# Altium PCB CogniBee_V2.PcbDoc (part 1 of 2) (continued)
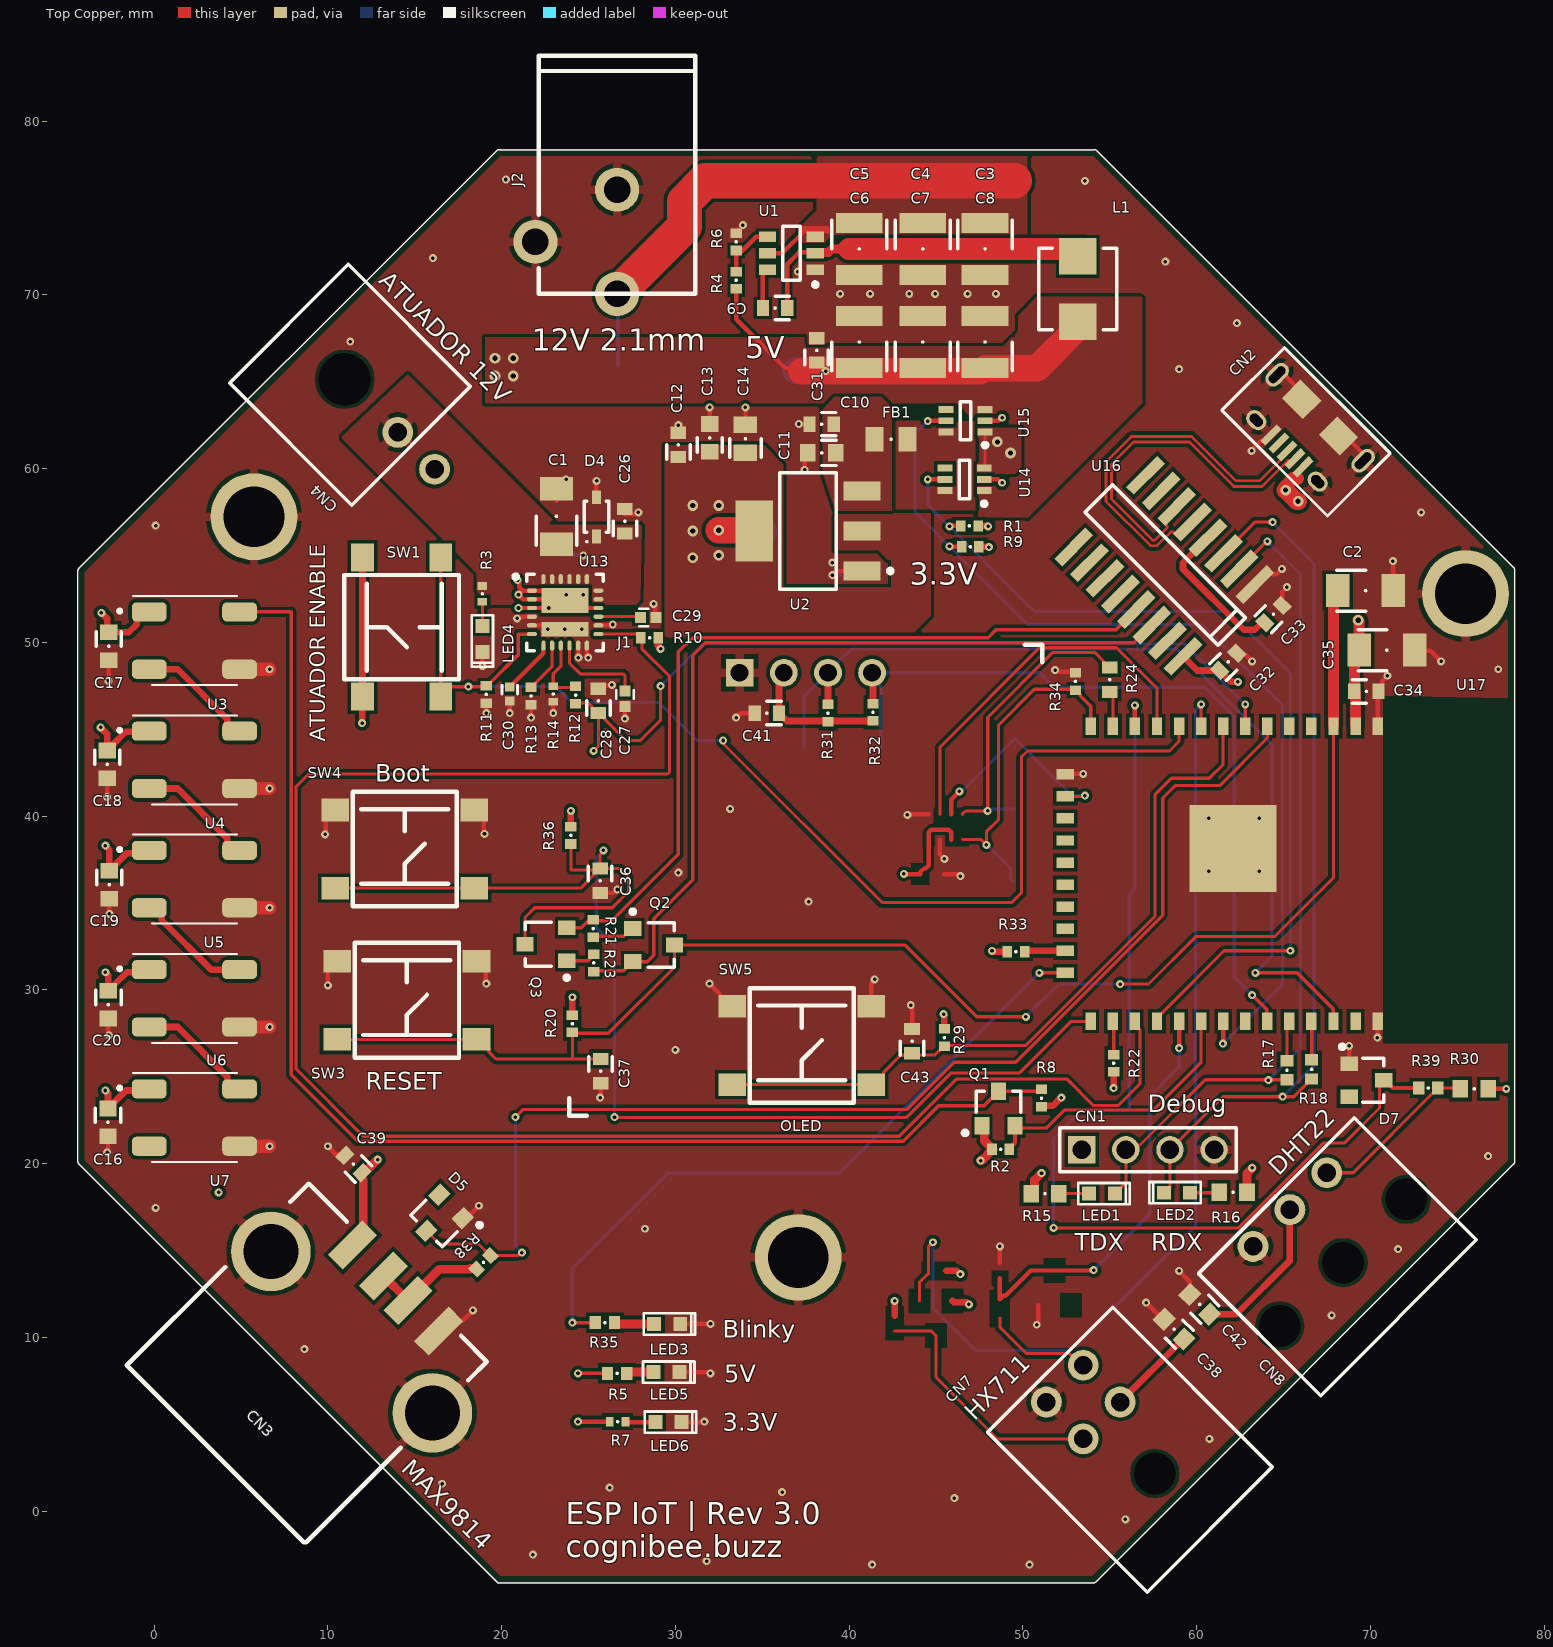
[diagram p0: Top Copper view]
## Components (designator, comment, footprint, x,y, rotation, side; value= is the part's Value field where it differs from the comment)
C1 "10uF" CAPC1206(3216)_M 23.161,57.25 r90 top
C2 "10uF" CAPC1206(3216)_M 69.725,52.975 r0 top
C3 "10uF" CAPC1210(3225)_N 47.823,72.642 r270 top
C4 "10uF" CAPC1210(3225)_N 44.242,72.642 r270 top
C5 "10uF" CAPC1210(3225)_N 40.584,72.642 r270 top
C6 "10uF" CAPC1210(3225)_N 40.584,67.283 r90 top
C7 "10uF" CAPC1210(3225)_N 44.242,67.283 r90 top
C8 "10uF" CAPC1210(3225)_N 47.823,67.283 r90 top
C9 "0.1uF" CAPC0603(1608)_L 35.738,69.239 r180 top
C10 "0.1uF" CAPC0603(1608)_L 38.419,62.552 r180 top
C11 "1uF" CAPC0603(1608)_N 38.431,60.901 r180 top
C12 "0.1uF" CAPC0603(1608)_L 30.176,61.358 r90 top
C13 "1uF" CAPC0603(1608)_N 31.979,61.764 r90 top
C14 "10uF" CAPC0805(2012)_L 34.037,61.713 r90 top
C16 "1uF" CAPC0603(1608)_N -2.65,22.375 r270 top
C17 "1uF" CAPC0603(1608)_N -2.6,49.775 r270 top
C18 "1uF" CAPC0603(1608)_N -2.7,42.975 r270 top
C19 "1uF" CAPC0603(1608)_N -2.575,36.05 r270 top
C20 "1uF" CAPC0603(1608)_N -2.625,29.15 r270 top
C26 "0.1uF" CAPC0603(1608)_L 27.1,56.97 r90 top
C27 "0.022uF" CAPC0402(1005)_N 27.1,46.75 r270 top
C28 "0.033uF" CAPC0603(1608)_L 25.575,46.625 r90 top
C29 "1000pF" CAPC0402(1005)_N 28.438,51.423 r0 top
C30 "4700pF" CAPC0402(1005)_L 20.472,47.025 r270 top
C31 "0.1uF" CAPC0603(1608)_L 38.136,66.8 r90 top
C32 "0.1uF" CAPC0603(1608)_L 61.825,48.875 r45 top
C33 "0.1uF" CAPC0603(1608)_L 64.425,51.625 r45 top
C34 "0.1uF" CAPC0603(1608)_L 69.775,47.175 r0 top
C35 "10uF" CAPC1206(3216)_M 70.95,49.55 r0 top
C36 "0.1uF" CAPC0603(1608)_L 25.675,36.275 r270 top
C37 "0.1uF" CAPC0603(1608)_L 25.7,25.325 r270 top
C38 "1uF" CAPC0603(1608)_N 58.7,10.475 r135 top
C39 "0.1uF" CAPC0603(1608)_L 11.475,19.975 r135 top
C41 "0.1uF" CAPC0603(1608)_L 35.268,45.925 r180 top
C42 "1uF" CAPC0603(1608)_N 60.175,11.9 r135 top
C43 "0.1uF" CAPC0603(1608)_L 43.625,27.05 r90 top
CN1 "Debug" HDR1X4 53.385,20.8 r0 top
CN2 "MicroUSB" 10118194-0001LF 67.11,62.925 r135 top
CN3 "MAX9814" 87583-2010 11.375,10.3 r315 top
CN4 "Molex Microfit 2x1 90deg Header" "Molex 2x1 Microfit 90deg" 8.382,62.551 r315 top
CN7 "HX711" "Molex 2x2 Microfit 90deg" 60.179,4.75 r135 top
CN8 "DHT22" "Molex 1x3 Microfit 90deg" 65.37,17.355 r135 top
D4 "CMDZ5243BTR" SOD-323 25.461,57.225 r90 top
D5 "BZX84C3V6LT1G" SOT23#1 17.761,16.867 r135 top
D7 "BZX84C3V6LT1G" SOT23#1 68.775,25.75 r270 top
FB1 "600 Ohm @ 100MHz" RESC0805(2012)_N 42.414,61.688 r180 top
J1 "OLED 0.96\"" OLED_0.96_I2C 33.705,48.25 r0 top locked
J2 "12V 2.1mm" CONN_PWR_JACK_2.1x5.5mm 26.65,70.05 r0 top
L1 "3.3uH ±20% 3.3A 87mΩ" MWSA0402S-3R3MT 53.163,70.331 r90 top
LED1 "TDX" SM-LED-0603 53.8,18.275 r180 top
LED2 "RDX" SM-LED-0603 59.625,18.325 r0 top
LED3 "APT1608LVBC/D" SM-LED-0603 28.784,10.773 r180 top
LED4 "Atuador" SM-LED-0603 18.9,50.95 r90 top
LED5 "5V" SM-LED-0603 28.75,8 r180 top
LED6 "3.3V" SM-LED-0603 28.85,5.125 r180 top
Q1 "2N7002P" SOT23#1 47.649,22.168 r0 top
Q2 "MMBTA06" SOT23#2 28.75,32.575 r270 top
Q3 "MMBTA06" SOT23#2 22.55,32.625 r90 top
R1 "0402WGF1002TCE" RESC0402(1005)_N 46.925,56.7 r180 top
R2 "0402WGF1002TCE" RESC0402(1005)_N 48.724,20.818 r0 top
R3 "1K" RESC0402(1005)_L 18.9,52.787 r90 top
R4 "56.2K 1%" RESC0402(1005)_N 33.503,70.839 r270 top
R5 "604" RESC0402(1005)_M 26.65,7.925 r0 top
R6 "0402WGF1002TCE" RESC0402(1005)_N 33.503,73.05 r90 top
R7 "RES SMD 300 OHM 1% 1/10W 0402" RESC0402(1005)_L 26.675,5.15 r0 top
R8 "0402WGF1002TCE" RESC0402(1005)_N 51.074,23.768 r90 top
R9 "0402WGF1002TCE" RESC0402(1005)_N 46.975,55.5 r180 top
R10 "0402WGF1002TCE" RESC0402(1005)_N 28.518,50.256 r180 top
R11 "0402WGF1002TCE" RESC0402(1005)_N 19.125,47 r270 top
R12 "0402WGF1002TCE" RESC0402(1005)_N 24.261,46.96 r270 top
R13 "270" RESC0402(1005)_N 21.697,46.91 r270 top
R14 "2.34k" RESC0402(1005)_L 22.975,47.025 r270 top
R15 "1.0K" RESC0603(1608)_N 51.275,18.275 r180 top
R16 "1.0K" RESC0603(1608)_N 62.1,18.35 r0 top
R17 "0.0" RESC0402(1005)_M 65.2,25.375 r270 top
R18 "0.0" RESC0402(1005)_M 66.625,25.425 r270 top
R20 "0402WGF1002TCE" RESC0402(1005)_N 24.075,28.05 r270 top
R21 "0402WGF1002TCE" RESC0402(1005)_N 25.275,33.525 r90 top
R22 "0402WGF1002TCE" RESC0402(1005)_N 55.225,25.775 r90 top
R23 "0402WGF1002TCE" RESC0402(1005)_N 25.3,31.55 r270 top
R24 "33" RESC0603(1608)_L 55,47.85 r90 top
R29 "0402WGF1002TCE" RESC0402(1005)_N 45.488,27.25 r270 top
R30 "4.7K" RESC0603(1608)_N 75.982,24.3 r0 top
R31 "0402WGF1002TCE" RESC0402(1005)_N 38.785,45.925 r90 top
R32 "0402WGF1002TCE" RESC0402(1005)_N 41.375,45.975 r90 top
R33 "0402WGF1002TCE" RESC0402(1005)_N 49.6,32.2 r0 top
R34 "0402WGF1002TCE" RESC0402(1005)_N 53.025,47.75 r90 top
R35 "470" RESC0402(1005)_M 25.95,10.85 r0 top
R36 "0402WGF1002TCE" RESC0402(1005)_N 23.989,38.892 r270 top
R38 "100" RESC0402(1005)_M 18.961,14.311 r45 top
R39 "100" RESC0402(1005)_M 73.332,24.35 r180 top
SW1 "ATUADOR ENABLE" "SW TACT Red 6mm x 6mm" 14.25,50.875 r90 top
SW3 "RESET" "SW TACT Red 6mm x 6mm" 14.55,29.4 r180 top
SW4 "Boot" "SW TACT Red 6mm x 6mm" 14.425,38.1 r180 top
SW5 "OLED" "SW TACT Red 6mm x 6mm" 37.275,26.8 r180 top
TP1 "V_ATUADOR" Pogo-Testpoint 23.325,55.025 r90 bottom
TP2 "I_ATUADOR" Pogo-Testpoint 25.325,43.55 r90 bottom
TP3 "5V" Pogo-Testpoint 36.9,65.625 r180 bottom
TP4 "3V" Pogo-Testpoint 35.1,56.35 r180 bottom
TP5 "GND" Pogo-Testpoint 41.21,70.05 r180 bottom
TP6 "GND" Pogo-Testpoint 41.825,54.223 r180 bottom
TP7 "SCL" Pogo-Testpoint 37.4,43.925 r180 bottom
TP8 "SDA" Pogo-Testpoint 41.825,43.925 r180 bottom
TP9 "MOSI" Pogo-Testpoint 49.536,44.468 r90 bottom
TP10 "MISO" Pogo-Testpoint 49.497,36.19 r90 bottom
TP11 "SCK" Pogo-Testpoint 49.497,40.415 r90 bottom
TP12 "12V" Pogo-Testpoint 26.7,65.95 r90 bottom
U1 "U/TPS562209DDCR" SOT-23 36.678,72.388 r180 top
U2 "3.3V" DSO-G3 37.644,56.405 r90 top
U3 "WS2812C" WS2812C 2.325,50.1 r0 top
U4 "WS2812C" WS2812C 2.325,43.237 r0 top
U5 "WS2812C" WS2812C 2.325,36.375 r0 top
U6 "WS2812C" WS2812C 2.325,29.512 r0 top
U7 "WS2812C" WS2812C 2.325,22.65 r0 top
U13 "TPS2598270NRGET" VQFN_24 24.101,51.63 r0 top
U14 "Ideal Diode" SC-70-6 46.65,59.375 r180 top
U15 "Ideal Diode" SC-70-6 46.7,62.75 r180 top
U16 "CH340C" SOP-16 63.349,53.325 r135 top
U17 "ESP32" ESP32 70.42,45.175 r270 top

## Footprints (in the part's own frame and the unit in brackets; to place one, negate y for a bottom-side part, rotate by r counter-clockwise, add the part's x,y. Pads: shape width x height; smd on the part's side, far side on the other; paste and mask are expansions set on the pad)
87583-2010 [mm] "USB-A Receptacle"
  rect 1.2x2.8 smd: 1(-3.5,3.58) 2(-1,3.58) 3(1,3.58) 4(3.5,3.58)
  round 4.572 hole 3.175: 5(-6.57,0) 5(6.57,0)
  silkscreen extent -7.8,-10.5 6.7,4.3, body extent -7.8,-10.55 6.7,4.35, height 7.68
10118194-0001LF [mm] "Amphenol FCI CONN USB MICRO B RECPT SMT R/A"
  rect 0.4x1.35 smd: 1(-1.3,2.7) 2(-0.65,2.7) 3(0,2.7) 4(0.65,2.7) 5(1.3,2.7)
  oval 0.9x1.55 hole 0.5 slot 1.15 at 90 deg: 5(-3.5,0) 5(3.5,0)
  oval 1.25x0.95 hole 0.55 slot 0.85 at 0 deg: 5(-2.5,2.7) 5(2.5,2.7)
  rect 1.7x1.5 smd: 5(-1.5,0) 5(1.5,0)
  silkscreen extent -4.3,-1.4 4.3,3.7, body extent -4.02,-2.68 4.02,2.9, height 2.72
CAPC0402(1005)_L [mm] "Chip Capacitor, Body 1.0x0.5mm, Height 0.7mm, IPC High Density"
  rect 0.52x0.52 smd: 1(-0.4,0) 2(0.4,0)
  silkscreen extent -0.5,-0.45 0,0.45, body extent -0.55,-0.3 0.55,0.3, height 0.7
CAPC0402(1005)_N [mm] "Chip Capacitor, Body 1.0x0.5mm, Height 0.7mm, IPC Medium Density"
  rect 0.62x0.62 smd: 1(-0.45,0) 2(0.45,0)
  silkscreen extent -0.5,-0.5 0,0.5, body extent -0.55,-0.3 0.55,0.3, height 0.7
CAPC0603(1608)_L [mm] "Chip Capacitor, Body 1.6x0.8mm, Height 1.0mm, IPC High Density"
  rect 0.7x0.9 smd: 1(-0.7,0) 2(0.7,0)
  silkscreen extent -0.82,-0.68 0.05,0.68, body extent -0.8,-0.44 0.8,0.43, height 0.86
CAPC0603(1608)_N [mm] "Chip Capacitor, Body 1.6x0.8mm, Height 1.0mm, IPC Medium Density"
  rect 0.9x1 smd: 1(-0.8,0) 2(0.8,0)
  silkscreen extent -0.82,-0.73 0.05,0.73, body extent -0.8,-0.44 0.8,0.43, height 0.86
CAPC0805(2012)_L [mm] "Chip Capacitor, Body 2.0x1.2mm, Height 1.55mm, IPC High Density"
  rect 0.95x1.35 smd: 1(-0.8,0) 2(0.8,0)
  silkscreen extent -1.05,-0.9 0.05,0.9, body extent -1.1,-0.72 1.1,0.72, height 1.55
CAPC1206(3216)_M [mm] "Chip Capacitor, Body 3.2x1.6mm, Height 1.9mm, IPC Low Density"
  rect 1.35x1.9 smd: 1(-1.6,0) 2(1.6,0)
  silkscreen extent -1.65,-1.18 0.05,1.18, body extent -1.7,-0.9 1.7,0.9, height 1.9
CAPC1210(3225)_N [mm] "Chip Capacitor, Body 3.2x2.5mm, Height 6.3mm, IPC Medium Density"
  rect 1.15x2.7 smd: 1(-1.5,0) 2(1.5,0)
  silkscreen extent -1.65,-1.58 0.05,1.57, body extent -1.6,-1.25 1.6,1.25, height 2.5
CONN_PWR_JACK_2.1x5.5mm [mm] "Power Connector, 2.1mm ID, 5.5mm OD"
  round 2.54 hole 1.524: 1(0,0) 2(0,6) 3(-4.7,3)
  silkscreen extent -4.5,0 4.5,13.7, body extent -4.9,-0.61 4.5,13.79, height 11
DSO-G3 [mm] "SOT-223/SC-73; 4 Leads; Body 6.7 x 7.3 mm, inc. leads (LxW max)"
  rect 1.1x2.15 smd: 1(-2.3,-3.1) 2(0,-3.1) 3(2.3,-3.1)
  rect 3.5x2.15 smd: 4(0,3.1)
  silkscreen extent -3.35,-4.85 3.35,1.63, body extent -3.25,-3.4 3.25,3.56, height 1.68
ESP32 [mm] "ESP32 WROOM 32D"
  rect 1x0.6 smd: 1(0,0) 2(0,-1.27) 3(0,-2.54) 4(0,-3.81) 5(0,-5.08) 6(0,-6.35) 7(0,-7.62) 8(0,-8.89) 9(0,-10.16) 10(0,-11.43) 11(0,-12.7) 12(0,-13.97) 13(0,-15.24) 14(0,-16.51) 25(16.985,-16.51) 26(16.985,-15.24) 27(16.985,-13.97) 28(16.985,-12.7) 29(16.985,-11.43) 30(16.985,-10.16) 31(16.985,-8.89) 32(16.985,-7.62) 33(16.985,-6.35) 34(16.985,-5.08) 35(16.985,-3.81) 36(16.985,-2.54) 37(16.985,-1.27) 38(16.985,0)
  rect 0.6x1 smd: 15(2.77,-17.98) 16(4.04,-17.98) 17(5.31,-17.98) 18(6.58,-17.98) 19(7.85,-17.98) 20(9.12,-17.98) 21(10.39,-17.98) 22(11.66,-17.98) 23(12.93,-17.98) 24(14.2,-17.98)
  rect 5x5 smd: 39(7.05,-8.32)
  body extent -0.53,-18.04 17.55,7.5, height 3
HDR1X4 [mil] "Connector; Header; 4 Position"
  rect 62x62 hole 42: 1(0,0)
  round 62 hole 42: 2(100,0) 3(200,0) 4(300,0)
  silkscreen extent -50,-50 350,50, body extent -49,-51 351,49, height 330
"Molex 1x3 Microfit 90deg" [mil] "Molex Microfit 1x3 90deg"
  round 0 hole 94.5 unplated: 0(-170.08,-202.76) 0(-170.08,0) 0(-170.08,202.76)
  round 70 hole 42: 1(0,-118.11) 2(0,0) 3(0,118.11)
  silkscreen extent -347,-250 44,249, body extent -349,-251 41,247, height 222
"Molex 2x1 Microfit 90deg" [mm] "Connector; Header; 2x1 Position"
  round 0 hole 3 unplated: 0(0,3.66)
  round 1.778 hole 1.067: 1(4.32,3.66) 2(7.32,3.66)
  silkscreen extent -4.52,-1.17 5.41,8.48, body extent -4.73,0.04 7.51,7.2, height 8.73
"Molex 2x2 Microfit 90deg" [mil] "Microfit 90 deg 2x2 Position"
  round 0 hole 94.88 unplated: 0(0,144.09)
  round 70 hole 42: 1(170.08,85.04) 2(170.08,203.15) 3(288.19,85.04) 4(288.19,203.15)
  silkscreen extent -178,-55 334,346, body extent -179,-56 303,344, height 348
MWSA0402S-3R3MT [mm] "3.3uH ±20% 3.3A 87mO SMD,4.2x4.4x2.0mm Power Inductors RoHS"
  rect 2.1x2.15 smd: 1(-1.875,0) 2(1.875,0)
  silkscreen extent -2.35,-2.25 2.35,2.25, body extent -2.32,-2.12 2.32,2.12, height 1.9
OLED_0.96_I2C [mm]
  rect 1.6x1.6 hole 1.03: 1(0,0)
  round 1.6 hole 1.02: 2(2.54,0) 3(5.08,0) 4(7.62,0)
  silkscreen extent -9.8,-25.5 17.4,1.6, body extent -9.85,-25.6 17.45,1.7, height 9
Pogo-Testpoint [mil] "Test Point - Top Pad Only"
  oct 50x60 smd paste-60: 1(0,0)
  silkscreen extent -69,-69 69,69
RESC0402(1005)_L [mm] "Chip Resistor, Body 1.0x0.5mm, IPC High Density"
  rect 0.45x0.55 smd: 1(-0.45,0) 2(0.45,0)
  silkscreen extent -0.05,-0.05 0.05,0.05, body extent -0.52,-0.27 0.53,0.28, height 0.4
RESC0402(1005)_M [mm] "Chip Resistor, Body 1.0x0.5mm, IPC Low Density"
  rect 0.65x0.75 smd: 1(-0.55,0) 2(0.55,0)
  silkscreen extent -0.05,-0.05 0.05,0.05, body extent -0.52,-0.28 0.53,0.28, height 0.4
RESC0402(1005)_N [mm] "Chip Resistor, Body 1.0x0.5mm, IPC Medium Density"
  rect 0.55x0.65 smd: 1(-0.5,0) 2(0.5,0)
  silkscreen extent -0.05,-0.05 0.05,0.05, body extent -0.52,-0.27 0.53,0.28, height 0.4
RESC0603(1608)_L [mm] "Chip Resistor, Body 1.6x0.8mm, IPC High Density"
  rect 0.7x0.9 smd: 1(-0.7,0) 2(0.7,0)
  silkscreen extent -0.05,-0.05 0.05,0.05, body extent -0.8,-0.43 0.8,0.43, height 0.51
RESC0603(1608)_N [mm] "Chip Resistor, Body 1.6x0.8mm, IPC Medium Density"
  rect 0.9x1 smd: 1(-0.8,0) 2(0.8,0)
  silkscreen extent -0.05,-0.05 0.05,0.05, body extent -0.8,-0.43 0.8,0.43, height 0.51
RESC0805(2012)_N [mm] "Chip Resistor, Body 2.0x1.3mm, IPC Medium Density"
  rect 1.05x1.4 smd: 1(-0.95,0) 2(0.95,0)
  silkscreen extent -0.05,-0.05 0.05,0.05, body extent -1.01,-0.63 0.99,0.63, height 0.46
SC-70-6 [mm] "SOT23, 6-Leads, Body 2.00x2.10mm, Pitch 0.65mm, IPC Medium Density"
  rect 0.85x0.4 smd: 1(-1.125,0.65) 2(-1.125,0) 3(-1.125,-0.65) 4(1.125,-0.65) 5(1.125,0) 6(1.125,0.65)
  silkscreen extent -1.25,-1.1 0.3,1.52, body extent -1.2,-1.07 1.2,1.07, height 1.1
SM-LED-0603 [mm] "0603 LED"
  rect 0.8x0.8 smd: 1(0,0) 2(-1.5,0)
  silkscreen extent -2.35,-0.61 0.61,0.62, body extent -1.55,-0.36 0.1,0.37, height 0.67
SOD-323 [mm] "SODFL, 2-Leads, Body 1.25x2.50mm, IPC Medium Density"
  rect 0.8x0.5 smd: 1(-1.125,0) 2(1.125,0)
  silkscreen extent -1.47,-0.7 0.9,0.7, body extent -1.25,-0.67 1.25,0.67, height 1
SOP-16 [mil]
  rect 25x100 smd: 1(0,0) 2(50,0) 3(100,0) 4(150,0) 5(200,0) 6(250,0) 7(300,0) 8(350,0) 9(350,230) 10(300,230) 11(250,230) 12(200,230) 13(150,230) 14(100,230) 15(50,230) 16(0,230)
  silkscreen extent -38,68 388,156, body extent -21,-11 373,235, height 69
SOT23#1 [mm] "SOT-23; 3 Leads; Body 3.0 x 2.5 mm, inc. leads (LxW max)"
  rect 0.85x1 smd: 1(0,0) 2(1.9,0) 3(0.95,2)
  silkscreen extent -1.1,-0.52 2.23,2, body extent -0.55,-0.25 2.45,2.25, height 1.1
SOT23#2 [mm] "SOT-23; 3 Leads; Body 3.0 x 2.5 mm, inc. leads (LxW max)"
  rect 0.85x1 smd: 1(-0.95,-1.2) 2(0.95,-1.2) 3(0,1.2)
  silkscreen extent -2.05,-1.32 1.28,1.2, body extent -1.5,-1.27 1.5,1.23, height 1.1
SOT-23 [mm] "SOT23, 6-Leads, Body 2.90x2.80mm, Pitch 0.95mm, IPC Medium Density"
  rect 1x0.6 smd: 1(-1.375,0.95) 2(-1.375,0) 3(-1.375,-0.95) 4(1.375,-0.95) 5(1.375,0) 6(1.375,0.95)
  silkscreen extent -1.5,-1.55 0.5,1.92, body extent -1.53,-1.53 1.53,1.53, height 1.1
"SW TACT Red 6mm x 6mm" [mm] "Switch, tactile, red button, SMD 6 mm x 6 mm"
  rect 1.6x1.3 smd: 1(-4,2.25) 2(4,2.25) 3(-4,-2.25) 4(4,-2.25)
  silkscreen extent -3,-3.3 3,3.3, body extent -4.5,-3.1 4.5,3.1, height 4.3
VQFN_24 [mm] "QFN, 24-Leads, Body 4.00x4.00mm, Pitch 0.50mm, Thermal Pad 2.70x1.45mm, IPC Medium Density"
  oval 0.575x0.25 smd: 1(-2.352,1.345) 2(-2.352,0.845) 3(-2.352,0.345) 4(-2.352,-0.155) 5(-2.352,-0.655) 6(-2.352,-1.155) 13(1.472,-1.155) 14(1.472,-0.655) 15(1.472,-0.155) 16(1.472,0.345) 17(1.472,0.845) 18(1.472,1.345)
  oval 0.25x0.575 smd: 7(-1.69,-1.817) 8(-1.19,-1.817) 9(-0.69,-1.817) 10(-0.19,-1.817) 11(0.31,-1.817) 12(0.81,-1.817) 19(0.81,2.007) 20(0.31,2.007) 21(-0.19,2.007) 22(-0.69,2.007) 23(-1.19,2.007) 24(-1.69,2.007)
  rect 2.7x1.45 smd: 25(-0.44,0.78)
  rect 2.7x0.85 smd: 26(-0.44,-0.875)
  silkscreen extent -3.41,-2.1 1.76,2.3, body extent -2.49,-1.95 1.61,2.15, height 1
WS2812C [mm] "RGB LED"
  rrect50% 2x1.1 smd: 1(-2.6,1.65) 2(-2.6,-1.65) 3(2.6,-1.65) 4(2.6,1.65)
  silkscreen extent -4.4,-2.56 2.44,2.56, body extent -2.67,-2.47 2.68,2.47, height 1.5

## Part data
C1 C2 C35: library part "CAP CER 10UF 16V 1206", LCSC=C126600, Package=1206, Supplier Part Number 1=490-4793-1-ND, Temperature Coefficient=X7R, Voltage - Rated=16V, Capacitance=10uF, Supplier 1=Digi-Key
C3 C4 C5 C6 C7 C8: library part "CAP CER 10UF 25V JB 1210", "10uF 1210 25V", Manufacturer="TDK Corporation", Manufacturer Part Number=C3225JB1E106K250AA, Operating Temperature="-25°C ~ 85°C", Package / Case=1210, Ratings=-, Supplier Part Number 1=445-11850-1-ND, Temperature Coefficient=JB, Tolerance=±10%, Voltage - Rated=25V, Applications="General Purpose", Category=Capacitors, ComponentLink1Description=https://product.tdk.com/info/en/catalog/datasheets/mlcc_commercial_general_en.pdf, ComponentLink1URL=https://product.tdk.com/info/en/catalog/datasheets/mlcc_commercial_general_en.pdf, Failure Rate=-, Features="Low ESL", Height - Seated (Max)=-, Lead Spacing=-, Lead Style=-, Mounting Type="Surface Mount, MLCC", Notification="Current market demand for these product types have resulted in fluctuating and extending lead times. Lead times may differ.", Packaging="Cut Tape (CT)", Part Status=Active, Pricing 1="1=0.74, 10=0.525, 100=0.3454, 500=0.25588 (USD)", RoHS="RoHS Compliant", Size / Dimension="0.126\" L x 0.098\" W (3.20mm x 2.50mm)", Stock 1=19014, Supplier 1=Digi-Key, Thickness (Max)="0.110\" (2.80mm)", Voltage Rated=25V
C9 C10 C12 C26 C31 C32 C33 C34 C36 C37 C39 C41 C43: library part 0.1uF_0603, "100NF 50V 0603", LCSC Part #=C14663, Manufacturer=YAGEO, Manufacturer Part Number=CC0603KRX7R9BB104, Operating Temperature="-55°C ~ 125°C", Package / Case=0603, Ratings=-, Supplier Part Number 1=399-1096-2-ND, Temperature Coefficient=X7R, Tolerance=±10%, Voltage - Rated=50V, Applications="General Purpose", Capacitance=0.1uF, Category=Capacitors, ComponentLink1Description=http://www.kemet.com/datasheets&C0603C104K4RACTU, ComponentLink1URL=http://www.kemet.com/datasheets&C0603C104K4RACTU, ComponentLink2Description="New link", Features=-, Height - Seated (Max)=-, Lead Spacing=-, Lead Style=-, Mounting Type="Surface Mount, MLCC", Packaging="Tape & Reel (TR)", Pricing 1="4000=0.00414, 8000=0.00378, 12000=0.0036, 28000=0.00342, 100000=0.00248 (USD)", RoHS="RoHS Compliant", Size / Dimension="0.063\" L x 0.031\" W (1.60mm x 0.80mm)", Stock 1=2360000, Supplier 1=Digi-Key, Thickness (Max)="0.034\" (0.87mm)"
C11 C13 C16 C17 C18 C19 C20 C38 C42: library part "CAP CER 1UF 25V 10% X7R 0603", "1uF 0603 25V", Manufacturer="TDK Corporation", Manufacturer Part Number=CGA3E1X7R1E105K080AC, Operating Temperature="-55°C ~ 125°C", Package / Case=0603, Ratings=AEC-Q200, Supplier Part Number 1=445-6931-1-ND, Temperature Coefficient=X7R, Tolerance=±10%, Voltage - Rated=25V, Applications=Automotive, Category=Capacitors, ComponentLink1Description=https://product.tdk.com/info/en/catalog/datasheets/mlcc_automotive_general_en.pdf, ComponentLink1URL=https://product.tdk.com/info/en/catalog/datasheets/mlcc_automotive_general_en.pdf, Failure Rate=-, Features=-, Height - Seated (Max)=-, Lead Spacing=-, Lead Style=-, Mounting Type="Surface Mount, MLCC", Packaging="Cut Tape (CT)", Part Status=Active, Pricing 1="1=0.2, 10=0.135, 100=0.0686, 500=0.04696, 1000=0.04154 (USD)", RoHS="RoHS Compliant", Size / Dimension="0.063\" L x 0.032\" W (1.60mm x 0.80mm)", Stock 1=360610, Supplier 1=Digi-Key, Thickness (Max)="0.035\" (0.90mm)"
C14: library part "CAP CER 10UF 25V X6S 0805", "10UF 25V X6R 0805", Manufacturer="Murata Electronics North America", Manufacturer Part Number=GRM21BC81E106ME51L, Operating Temperature="-55°C ~ 105°C", Package / Case=0805, Ratings=-, Supplier Part Number 1=490-10503-1-ND, Temperature Coefficient=X6S, Tolerance=±20%, Voltage - Rated=25V, Applications="General Purpose", Category=Capacitors, ComponentLink1Description=http://search.murata.co.jp/Ceramy/image/img/A01X/G101/ENG/GRM21BC81E106ME51-01.pdf, ComponentLink1URL=http://search.murata.co.jp/Ceramy/image/img/A01X/G101/ENG/GRM21BC81E106ME51-01.pdf, Features=-, Height - Seated (Max)=-, Lead Spacing=-, Lead Style=-, Mounting Type="Surface Mount, MLCC", Notification="Current market demand for these product types have resulted in fluctuating and extending lead times. Lead times may differ.", Packaging="Cut Tape (CT)", Part Status=Active, Pricing 1="1=0.29, 10=0.199, 100=0.1009, 500=0.06906, 1000=0.0611 (USD)", RoHS="RoHS Compliant", Size / Dimension="0.079\" L x 0.049\" W (2.00mm x 1.25mm)", Stock 1=23735, Supplier 1=Digi-Key, Thickness (Max)="0.055\" (1.40mm)"
C27: library part CMP-007-0030-08, "CAP CER 0.022UF 50V X7R 0402", Capacitance=22nF, Dielectric Material=Ceramic, Package (Imperial)=0402, Package (Metric)=1005, Temperature Coefficient=X7R, Tolerance=10%, Voltage (Rated)=50V, Mounting Type=SMD
C28: library part CMP-007-0033-08, "CAP CER 0.033UF 50V X7R 0603", Capacitance=33nF, Dielectric Material=Ceramic, Package (Imperial)=0603, Package (Metric)=1608, Temperature Coefficient=X7R, Tolerance=5%, Voltage (Rated)=50V, Mounting Type=SMD
C29: library part "CAP CER 1000PF 50V C0G/NP0 0402", "1000pF 50V C0G 0402 Kemet 2017", Manufacturer=KEMET, Manufacturer Part Number=C0402C102J5GACTU, Operating Temperature="-55°C ~ 125°C", Package / Case=0402, Ratings=-, Supplier Part Number 1=399-10034-1-ND, Temperature Coefficient="C0G, NP0", Tolerance=±5%, Voltage - Rated=50V, Applications="General Purpose", Capacitance=1000pF, Category=Capacitors, Failure Rate=-, Features="Low ESL", Height - Seated (Max)=-, Lead Spacing=-, Lead Style=-, Mounting Type="Surface Mount, MLCC", Packaging="Cut Tape (CT)", Part Status=Active, Pricing 1="1=0.1, 10=0.07, 100=0.031, 500=0.02214, 1000=0.01739, 2500=0.01581, 5000=0.01455 (USD)", RoHS="RoHS Compliant", Size / Dimension="0.039\" L x 0.020\" W (1.00mm x 0.50mm)", Stock 1=1400284, Supplier 1=Digi-Key, Thickness (Max)="0.022\" (0.55mm)"
C30: library part CMP-007-0152-08, "CAP CER 4700PF 50V X7R 0402", Capacitance=4.7nF, Dielectric Material=Ceramic, Package (Imperial)=0402, Package (Metric)=1005, Temperature Coefficient=X7R, Tolerance=10%, Voltage (Rated)=50V, Mounting Type=SMD
CN1: library part "Header 4", "Header, 4-Pin", Color=Black, Manufacturer="Sullins Connector Solutions", Manufacturer Part Number=PRPC004SAAN-RC, Supplier Part Number 1=S1011EC-04-ND, Category="Connectors, Interconnects", ComponentLink1Description=http://media.digikey.com/PDF/Data%20Sheets/Sullins%20PDFs/xRxCzzzSxxN-RC_ST_11635-B.pdf, ComponentLink1URL=http://media.digikey.com/PDF/Data%20Sheets/Sullins%20PDFs/xRxCzzzSxxN-RC_ST_11635-B.pdf, Connector Type="Header, Unshrouded, Breakaway", Contact Finish=Gold, Contact Finish Thickness=Flash, Contact Mating Length="0.230\" (5.84mm)", Contact Type="Male Pin", Fastening Type=-, Features=-, Mounting Type="Through Hole", Number of Positions=4, Number of Positions Loaded=All, Number of Rows=1, Packaging=Bulk, Pitch="0.100\" (2.54mm)", Pricing 1="1=0.2, 10=0.175, 100=0.1443, 500=0.1141, 1000=0.09794, 5000=0.08935, 10000=0.08591 (USD)", RoHS="RoHS Compliant", Row Spacing=-, Stock 1=0, Supplier 1=Digi-Key, Termination=Solder
CN2: library part 10118194-0001LF, "Amphenol FCI CONN USB MICRO B RECPT SMT R/A", Current Rating="1.8A per Contact", Insulation Color=Black, Manufacturer="Amphenol FCI", Material Flammability Rating="UL94 V-0", Operating Temperature="-30°C ~ 80°C", Supplier Part Number 1=609-4618-1-ND, Voltage - Rated=100VAC, Category="Connectors, Interconnects", ComponentLink1Description=http://portal.fciconnect.com/Comergent//fci/drawing/10118194.pdf, ComponentLink1URL=http://portal.fciconnect.com/Comergent//fci/drawing/10118194.pdf, Connector Type="USB - micro B", Contact Finish=Gold, Features="Solder Retention", Gender=Receptacle, Ingress Protection=-, Manufacturer Part Number=10118194-0001LF, Mating Cycles=10000, Mounting Feature=Horizontal, Mounting Type="Surface Mount, Right Angle; Through Hole", Number of Contacts=5, Number of Ports=1, Packaging="Cut Tape (CT)", Part Status=Active, Pricing 1="1=0.46, 10=0.437, 25=0.3744, 50=0.318, 100=0.3056, 250=0.27444, 500=0.26196 (USD)", RoHS="RoHS Compliant", Shell/Shielding Material="Steel, Stainless", Shielding=Shielded, Specifications="USB 2.0", Stock 1=220681, Supplier 1=Digi-Key, Termination=Solder
CN3: library part CMP-001-0212-04, "USB-A Receptáculo", Manufacturer=FCI, Manufacturer Part Number=87583-2010BLF, Component Name=FCI-87583-2010, ComponentLink1Description=http://portal.fciconnect.com/Comergent//fci/drawing/87583.pdf, ComponentLink1URL=http://portal.fciconnect.com/Comergent//fci/drawing/87583.pdf, Connector Type="USB - A", Features="Board Lock", Gender=Receptacle, Ingress Protection=-, Mounting Type="Surface Mount, Right Angle, Horizontal", MPN=87583-2010BLF, Number of Contacts=4, Packaging=Tube, Pin Count=5, PN=609-4413-ND, Pricing 1="1=0.89, 10=0.78, 25=0.7344, 50=0.7038, 100=0.6732, 250=0.612, 500=0.5508, 1000=0.4896, 2500=0.4437 (USD)", RoHS="RoHS Compliant", Series=87583, Specifications="USB 2.0", Stock 1=25474, Vendor=Digikey